# Altium PCB jetson-nano-0928-12.PcbDoc (part 6 of 6)
Units mil, origin at the board's own origin, x right, y up, seen from the top; angles counter-clockwise.
Board outline 3946.89 x 2559.58 mil, 6 copper layers (TOP, L2_GND, L3_PWR, L4_SIG, L5_GND, BOTTOM), stack 47.2 mil thick; 344 components, 315 nets, 1402 pads, 1004 vias.
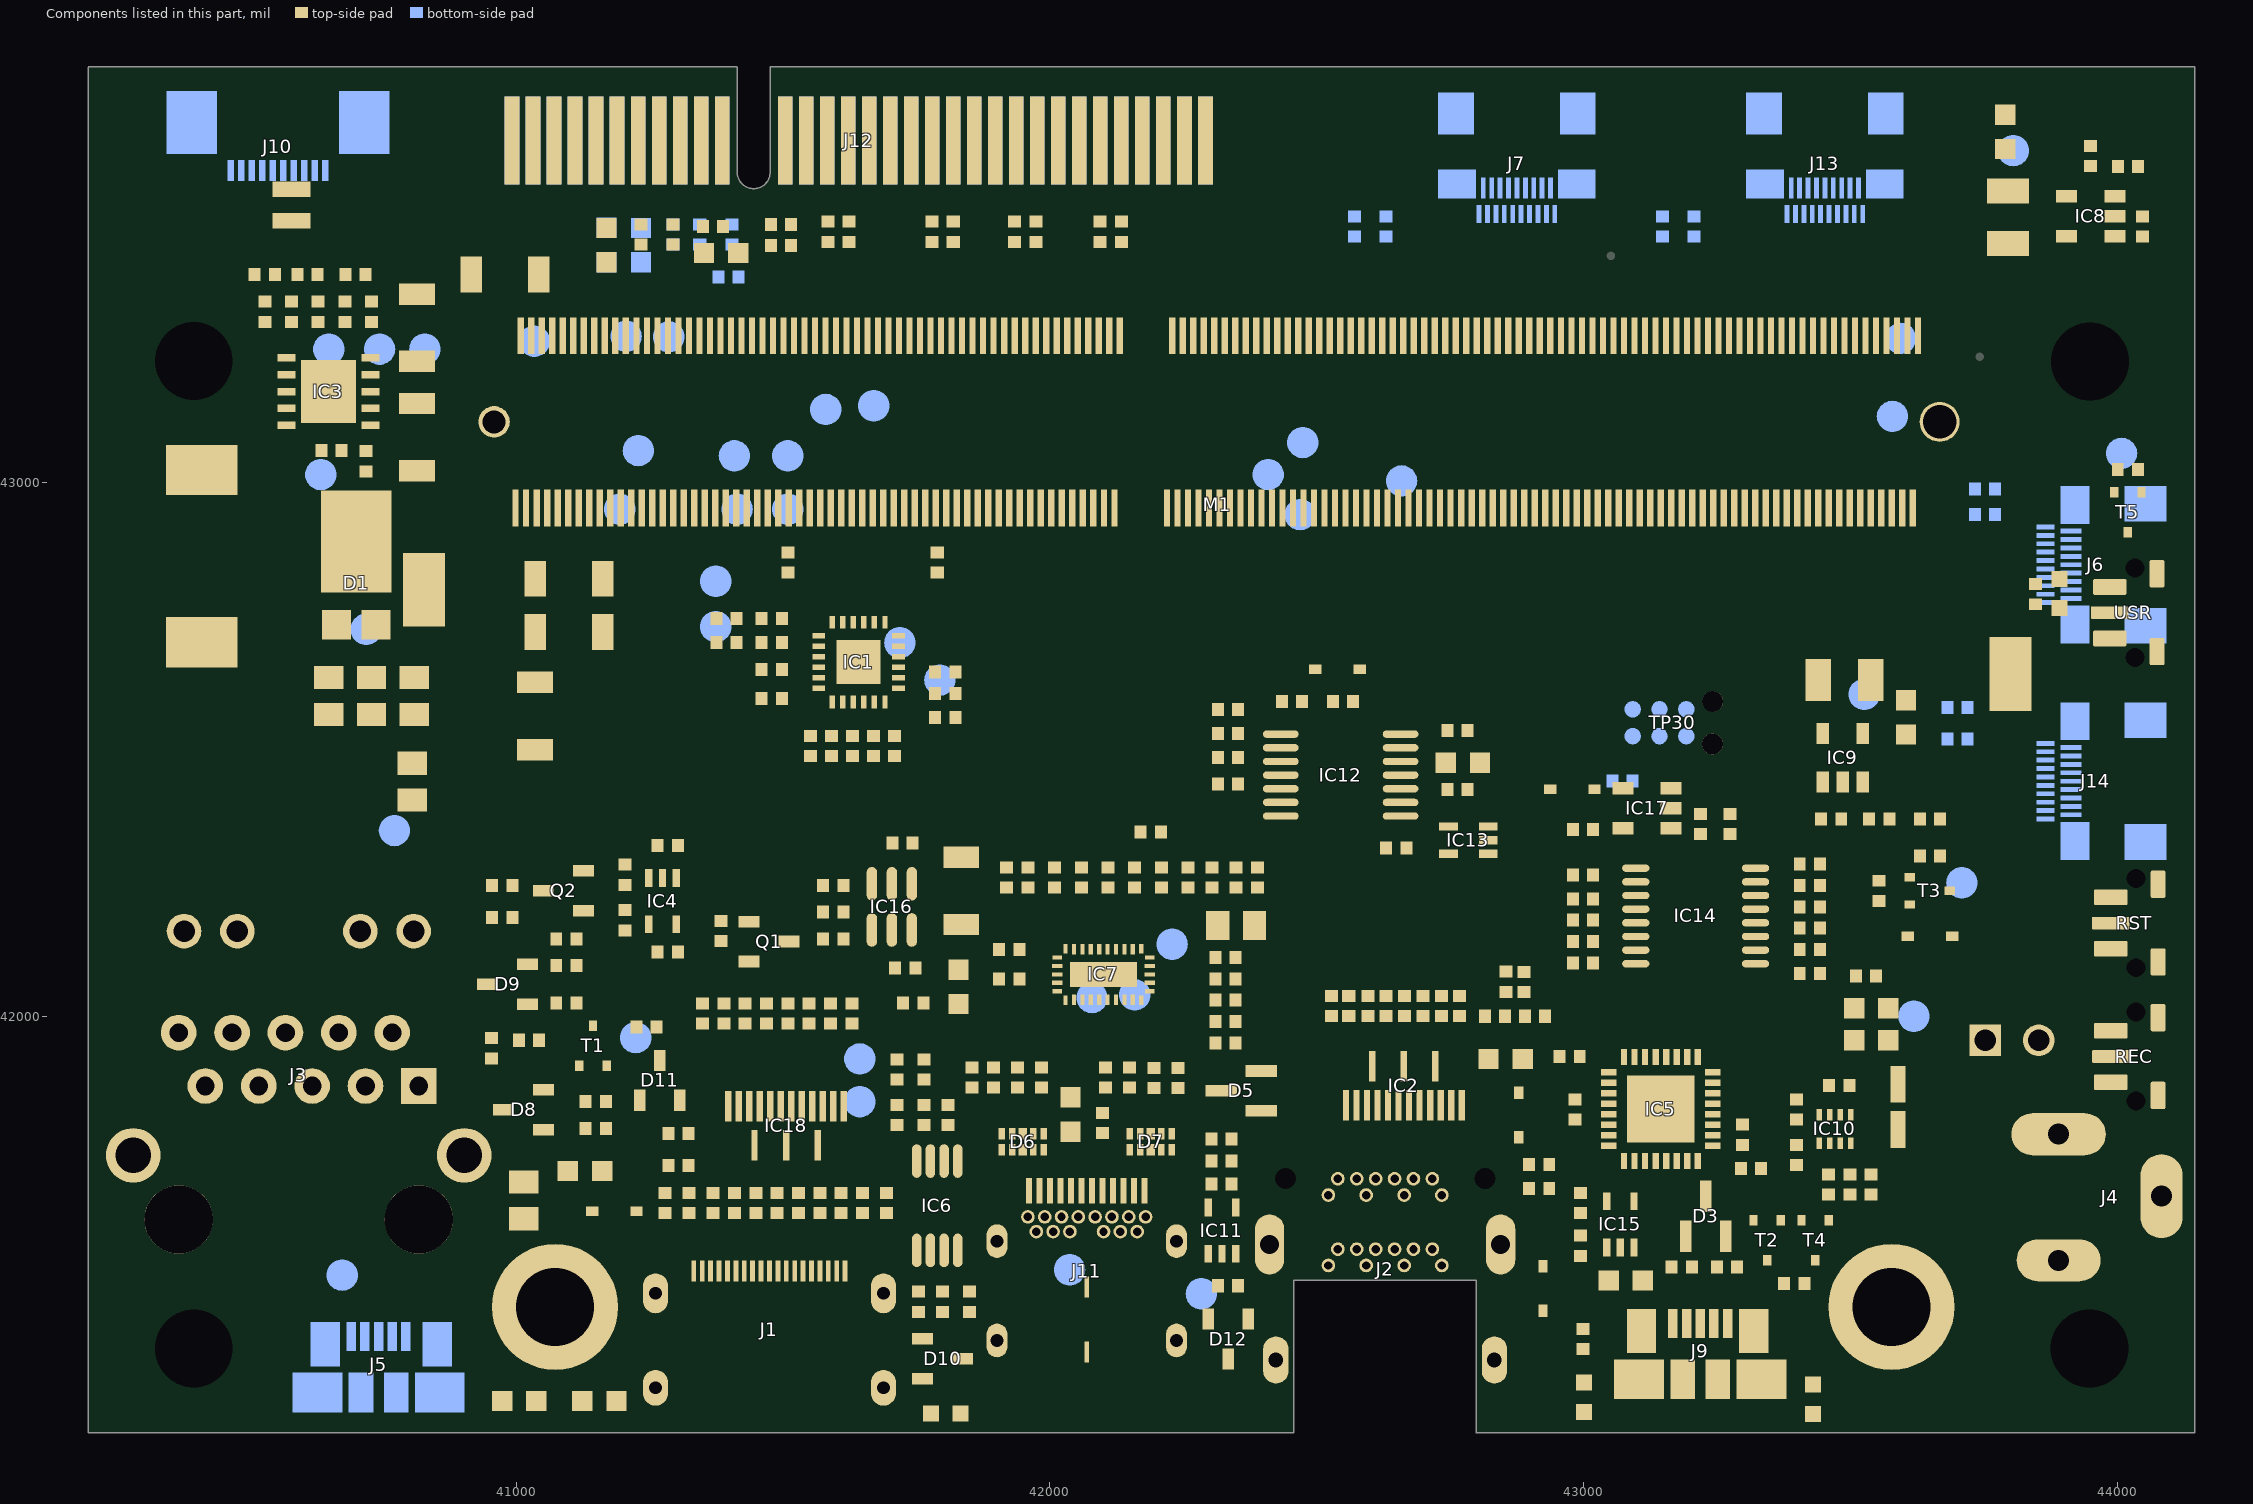
[diagram p10: the components of this part, seen from the top]

## Other copper
TOP:
  pour cut-out: 40434.13,43505.47 40432.97,43511.33 40429.65,43516.3 40424.68,43519.62 40418.82,43520.78 40412.96,43519.62 40407.99,43516.3 40404.67,43511.33 40403.51,43505.47 40404.67,43499.61 40407.99,43494.64 40412.96,43491.32 40418.82,43490.16 40424.68,43491.32 40429.65,43494.64 40432.97,43499.61 40434.13,43505.47
  pour cut-out: 40434.13,43470.47 40432.97,43476.33 40429.65,43481.3 40424.68,43484.62 40418.82,43485.78 40412.96,43484.62 40407.99,43481.3 40404.67,43476.33 40403.51,43470.47 40404.67,43464.61 40407.99,43459.64 40412.96,43456.32 40418.82,43455.16 40424.68,43456.32 40429.65,43459.64 40432.97,43464.61 40434.13,43470.47
  pour cut-out: 40578.36,43444.69 40578.1,43444.93 40577.82,43445.13 40577.53,43445.32 40577.22,43445.48 40576.89,43445.61 40576.56,43445.71 40576.22,43445.78 40575.87,43445.82 40575.52,43445.83 40575.17,43445.81 40574.83,43445.76 40574.49,43445.68 40574.16,43445.57 40573.83,43445.43 40573.53,43445.27 40573.24,43445.08 40572.96,43444.86 40572.78,43444.69 40571.8,43443.82 40570.75,43443.04 40569.63,43442.35 40568.46,43441.76 40567.24,43441.28 40565.99,43440.9 40564.71,43440.64 40563.4,43440.49 40562.09,43440.45 40560.79,43440.53 40559.49,43440.72 40558.21,43441.02 40556.97,43441.43 40555.77,43441.95 40554.61,43442.58 40553.52,43443.3 40552.49,43444.11 40551.54,43445.01 40550.67,43445.99 40549.89,43447.04 40549.2,43448.16 40548.61,43449.33 40548.13,43450.55 40547.75,43451.8 40547.49,43453.08 40547.34,43454.39 40547.3,43455.7 40547.38,43457 40547.57,43458.3 40547.87,43459.58 40548.28,43460.82 40548.8,43462.02 40549.43,43463.18 40550.15,43464.27 40550.96,43465.3 40551.86,43466.25 40552.84,43467.12 40553.89,43467.9 40555.01,43468.59 40556.18,43469.18 40557.4,43469.66 40558.65,43470.04 40559.93,43470.3 40561.24,43470.45 40562.55,43470.49 40563.85,43470.41 40565.15,43470.22 40566.43,43469.92 40567.67,43469.51 40568.87,43468.99 40570.03,43468.36 40571.12,43467.64 40572.15,43466.83 40572.78,43466.25 40573.04,43466.01 40573.32,43465.81 40573.61,43465.62 40573.92,43465.46 40574.25,43465.33 40574.58,43465.23 40574.92,43465.16 40575.27,43465.12 40575.62,43465.11 40575.97,43465.13 40576.31,43465.18 40576.65,43465.26 40576.98,43465.37 40577.31,43465.51 40577.61,43465.67 40577.9,43465.86 40578.18,43466.08 40578.36,43466.25 40579.34,43467.12 40580.39,43467.9 40581.51,43468.59 40582.68,43469.18 40583.9,43469.66 40585.15,43470.04 40586.43,43470.3 40587.74,43470.45 40589.05,43470.49 40590.35,43470.41 40591.65,43470.22 40592.93,43469.92 40594.17,43469.51 40595.37,43468.99 40596.53,43468.36 40597.62,43467.64 40598.65,43466.83 40599.6,43465.93 40600.47,43464.95 40601.25,43463.9 40601.94,43462.78 40602.53,43461.61 40603.01,43460.39 40603.39,43459.14 40603.65,43457.86 40603.8,43456.55 40603.84,43455.24 40603.76,43453.94 40603.57,43452.64 40603.27,43451.36 40602.86,43450.12 40602.34,43448.92 40601.71,43447.76 40600.99,43446.67 40600.18,43445.64 40599.28,43444.69 40598.3,43443.82 40597.25,43443.04 40596.13,43442.35 40594.96,43441.76 40593.74,43441.28 40592.49,43440.9 40591.21,43440.64 40589.9,43440.49 40588.59,43440.45 40587.29,43440.53 40585.99,43440.72 40584.71,43441.02 40583.47,43441.43 40582.27,43441.95 40581.11,43442.58 40580.02,43443.3 40578.99,43444.11 40578.36,43444.69
  pour cut-out: 40499.28,43506.25 40499.54,43506.01 40499.82,43505.81 40500.11,43505.62 40500.42,43505.46 40500.75,43505.33 40501.08,43505.23 40501.42,43505.16 40501.77,43505.12 40502.12,43505.11 40502.47,43505.13 40502.81,43505.18 40503.15,43505.26 40503.48,43505.37 40503.81,43505.51 40504.11,43505.67 40504.4,43505.86 40504.68,43506.08 40504.86,43506.25 40505.84,43507.12 40506.89,43507.9 40508.01,43508.59 40509.18,43509.18 40510.4,43509.66 40511.65,43510.04 40512.93,43510.3 40514.24,43510.45 40515.55,43510.49 40516.85,43510.41 40518.15,43510.22 40519.43,43509.92 40520.67,43509.51 40521.87,43508.99 40523.03,43508.36 40524.12,43507.64 40525.15,43506.83 40526.1,43505.93 40526.97,43504.95 40527.75,43503.9 40528.44,43502.78 40529.03,43501.61 40529.51,43500.39 40529.89,43499.14 40530.15,43497.86 40530.3,43496.55 40530.34,43495.24 40530.26,43493.94 40530.07,43492.64 40529.77,43491.36 40529.36,43490.12 40528.84,43488.92 40528.21,43487.76 40527.49,43486.67 40526.68,43485.64 40525.78,43484.69 40524.8,43483.82 40523.75,43483.04 40522.63,43482.35 40521.46,43481.76 40520.24,43481.28 40518.99,43480.9 40517.71,43480.64 40516.4,43480.49 40515.09,43480.45 40513.79,43480.53 40512.49,43480.72 40511.21,43481.02 40509.97,43481.43 40508.77,43481.95 40507.61,43482.58 40506.52,43483.3 40505.49,43484.11 40504.86,43484.69 40504.6,43484.93 40504.32,43485.13 40504.03,43485.32 40503.72,43485.48 40503.39,43485.61 40503.06,43485.71 40502.72,43485.78 40502.37,43485.82 40502.02,43485.83 40501.67,43485.81 40501.33,43485.76 40500.99,43485.68 40500.66,43485.57 40500.33,43485.43 40500.03,43485.27 40499.74,43485.08 40499.46,43484.86 40499.28,43484.69 40498.3,43483.82 40497.25,43483.04 40496.13,43482.35 40494.96,43481.76 40493.74,43481.28 40492.49,43480.9 40491.21,43480.64 40489.9,43480.49 40488.59,43480.45 40487.29,43480.53 40485.99,43480.72 40484.71,43481.02 40483.47,43481.43 40482.27,43481.95 40481.11,43482.58 40480.02,43483.3 40478.99,43484.11 40478.04,43485.01 40477.17,43485.99 40476.39,43487.04 40475.7,43488.16 40475.11,43489.33 40474.63,43490.55 40474.25,43491.8 40473.99,43493.08 40473.84,43494.39 40473.8,43495.7 40473.88,43497 40474.07,43498.3 40474.37,43499.58 40474.78,43500.82 40475.3,43502.02 40475.93,43503.18 40476.65,43504.27 40477.46,43505.3 40478.36,43506.25 40479.34,43507.12 40480.39,43507.9 40481.51,43508.59 40482.68,43509.18 40483.9,43509.66 40485.15,43510.04 40486.43,43510.3 40487.74,43510.45 40489.05,43510.49 40490.35,43510.41 40491.65,43510.22 40492.93,43509.92 40494.17,43509.51 40495.37,43508.99 40496.53,43508.36 40497.62,43507.64 40498.65,43506.83 40499.28,43506.25
  pour cut-out: 40678.36,43494.69 40678.1,43494.93 40677.82,43495.13 40677.53,43495.32 40677.22,43495.48 40676.89,43495.61 40676.56,43495.71 40676.22,43495.78 40675.87,43495.82 40675.52,43495.83 40675.17,43495.81 40674.83,43495.76 40674.49,43495.68 40674.16,43495.57 40673.83,43495.43 40673.53,43495.27 40673.24,43495.08 40672.96,43494.86 40672.78,43494.69 40671.8,43493.82 40670.75,43493.04 40669.63,43492.35 40668.46,43491.76 40667.24,43491.28 40665.99,43490.9 40664.71,43490.64 40663.4,43490.49 40662.09,43490.45 40660.79,43490.53 40659.49,43490.72 40658.21,43491.02 40656.97,43491.43 40655.77,43491.95 40654.61,43492.58 40653.52,43493.3 40652.49,43494.11 40651.54,43495.01 40650.67,43495.99 40649.89,43497.04 40649.2,43498.16 40648.61,43499.33 40648.13,43500.55 40647.75,43501.8 40647.49,43503.08 40647.34,43504.39 40647.3,43505.7 40647.38,43507 40647.57,43508.3 40647.87,43509.58 40648.28,43510.82 40648.8,43512.02 40649.43,43513.18 40650.15,43514.27 40650.96,43515.3 40651.86,43516.25 40652.84,43517.12 40653.89,43517.9 40655.01,43518.59 40656.18,43519.18 40657.4,43519.66 40658.65,43520.04 40659.93,43520.3 40661.24,43520.45 40662.55,43520.49 40663.85,43520.41 40665.15,43520.22 40666.43,43519.92 40667.67,43519.51 40668.87,43518.99 40670.03,43518.36 40671.12,43517.64 40672.15,43516.83 40672.78,43516.25 40673.04,43516.01 40673.32,43515.81 40673.61,43515.62 40673.92,43515.46 40674.25,43515.33 40674.58,43515.23 40674.92,43515.16 40675.27,43515.12 40675.62,43515.11 40675.97,43515.13 40676.31,43515.18 40676.65,43515.26 40676.98,43515.37 40677.31,43515.51 40677.61,43515.67 40677.9,43515.86 40678.18,43516.08 40678.36,43516.25 40679.34,43517.12 40680.39,43517.9 40681.51,43518.59 40682.68,43519.18 40683.9,43519.66 40685.15,43520.04 40686.43,43520.3 40687.74,43520.45 40689.05,43520.49 40690.35,43520.41 40691.65,43520.22 40692.93,43519.92 40694.17,43519.51 40695.37,43518.99 40696.53,43518.36 40697.62,43517.64 40698.65,43516.83 40699.6,43515.93 40700.47,43514.95 40701.25,43513.9 40701.94,43512.78 40702.53,43511.61 40703.01,43510.39 40703.39,43509.14 40703.65,43507.86 40703.8,43506.55 40703.84,43505.24 40703.76,43503.94 40703.57,43502.64 40703.27,43501.36 40702.86,43500.12 40702.34,43498.92 40701.71,43497.76 40700.99,43496.67 40700.18,43495.64 40699.28,43494.69 40698.3,43493.82 40697.25,43493.04 40696.13,43492.35 40694.96,43491.76 40693.74,43491.28 40692.49,43490.9 40691.21,43490.64 40689.9,43490.49 40688.59,43490.45 40687.29,43490.53 40685.99,43490.72 40684.71,43491.02 40683.47,43491.43 40682.27,43491.95 40681.11,43492.58 40680.02,43493.3 40678.99,43494.11 40678.36,43494.69
  pour cut-out: 40648.17,43562.51 40674.08,43588.43 40674.22,43588.98 40674.58,43590.24 40675.05,43591.46 40675.62,43592.64 40676.3,43593.76 40677.07,43594.82 40677.93,43595.81 40678.87,43596.72 40679.89,43597.55 40680.98,43598.28 40682.12,43598.91 40683.32,43599.45 40684.56,43599.87 40685.83,43600.19 40687.12,43600.39 40688.43,43600.49 40689.74,43600.46 40691.04,43600.32 40692.33,43600.07 40693.59,43599.71 40694.81,43599.24 40695.99,43598.67 40697.11,43597.99 40698.17,43597.22 40699.16,43596.36 40700.07,43595.42 40700.9,43594.4 40701.63,43593.31 40702.26,43592.17 40702.8,43590.97 40703.22,43589.73 40703.54,43588.46 40703.74,43587.17 40703.83,43585.86 40703.81,43584.55 40703.67,43583.25 40703.42,43581.96 40703.06,43580.7 40702.59,43579.48 40702.02,43578.3 40701.34,43577.18 40700.57,43576.12 40699.71,43575.13 40698.77,43574.22 40697.75,43573.39 40696.66,43572.66 40695.52,43572.03 40694.32,43571.49 40693.08,43571.07 40692.33,43570.87 40691.78,43570.73 40658.53,43537.49 40619.27,43537.49 40619.27,43530.22 40538.37,43530.22 40538.37,43569.78 40619.27,43569.78 40619.27,43562.51 40648.17,43562.51
  pour cut-out: 42059.98,41518.06 42077.88,41518.06 42077.88,41468.66 42059.98,41468.66 42059.98,41518.06
  pour cut-out: 42059.98,41396.01 42077.88,41396.01 42077.88,41346.61 42059.98,41346.61 42059.98,41396.01
  pour cut-out: 40619.13,42330.47 40617.97,42336.33 40614.65,42341.3 40609.68,42344.62 40603.82,42345.78 40597.96,42344.62 40592.99,42341.3 40589.67,42336.33 40588.51,42330.47 40589.67,42324.61 40592.99,42319.64 40597.96,42316.32 40603.82,42315.16 40609.68,42316.32 40614.65,42319.64 40617.97,42324.61 40619.13,42330.47
  pour cut-out: 42473.13,42350.47 42471.97,42356.33 42468.65,42361.3 42463.68,42364.62 42457.82,42365.78 42451.96,42364.62 42446.99,42361.3 42443.67,42356.33 42442.51,42350.47 42443.67,42344.61 42446.99,42339.64 42451.96,42336.32 42457.82,42335.16 42463.68,42336.32 42468.65,42339.64 42471.97,42344.61 42473.13,42350.47
  pour cut-out: 44063.99,42840.28 44063.04,42847.52 44060.24,42854.26 44055.8,42860.06 44050,42864.5 44043.26,42867.3 44036.02,42868.25 44028.78,42867.3 44022.04,42864.5 44016.24,42860.06 44011.8,42854.26 44009,42847.52 44008.05,42840.28 44009,42833.04 44011.8,42826.3 44016.24,42820.5 44022.04,42816.06 44028.78,42813.26 44036.02,42812.31 44043.26,42813.26 44050,42816.06 44055.8,42820.5 44060.24,42826.3 44063.04,42833.04 44063.99,42840.28
  pour cut-out: 44058.17,42997.14 44058.17,42967.42 44032.39,42967.42 44032.39,42981.01 44028.57,42984.82 44028.57,43007.66 44022.35,43007.66 44022.35,43042.1 44041.65,43042.1 44054.65,43055.11 44054.7,43055.86 44054.84,43057.17 44055.1,43058.45 44055.46,43059.71 44055.94,43060.93 44056.52,43062.11 44057.2,43063.23 44057.97,43064.28 44058.83,43065.27 44059.78,43066.17 44060.8,43066.99 44061.89,43067.72 44063.04,43068.35 44064.24,43068.88 44065.48,43069.3 44066.75,43069.61 44068.05,43069.81 44069.36,43069.9 44070.67,43069.87 44071.97,43069.73 44073.25,43069.47 44074.51,43069.11 44075.73,43068.63 44076.91,43068.05 44078.03,43067.37 44079.08,43066.6 44080.07,43065.74 44080.98,43064.79 44081.8,43063.77 44082.53,43062.68 44083.16,43061.53 44083.68,43060.33 44084.1,43059.09 44084.42,43057.82 44084.62,43056.52 44084.7,43055.21 44084.67,43053.9 44084.53,43052.6 44084.28,43051.32 44083.91,43050.06 44083.43,43048.84 44082.86,43047.66 44082.18,43046.54 44081.4,43045.48 44080.54,43044.5 44079.59,43043.59 44078.57,43042.77 44077.48,43042.04 44076.33,43041.41 44075.13,43040.89 44073.89,43040.46 44072.62,43040.15 44071.32,43039.95 44070.02,43039.87 44068.73,43039.89 44067.82,43039.95 44054.83,43026.95 44054.83,43007.66 44048.61,43007.66 44048.61,42997.14 44058.17,42997.14
  pour cut-out: 41112.3,43309.99 41121.34,43309.99 41121.34,43240.95 41112.3,43240.95 41112.3,43309.99
  pour cut-out: 41151.3,43309.99 41160.34,43309.99 41160.34,43240.95 41151.3,43240.95 41151.3,43309.99
  pour cut-out: 41161.3,42986.99 41170.34,42986.99 41170.34,42917.95 41161.3,42917.95 41161.3,42986.99
  pour cut-out: 41122.3,42986.99 41131.34,42986.99 41131.34,42917.95 41122.3,42917.95 41122.3,42986.99
  pour cut-out: 41102.3,42986.99 41111.34,42986.99 41111.34,42917.95 41102.3,42917.95 41102.3,42986.99
  pour cut-out: 41141.3,42986.99 41150.34,42986.99 41150.34,42917.95 41141.3,42917.95 41141.3,42986.99
  pour cut-out: 41170.3,43309.99 41179.34,43309.99 41179.34,43240.95 41170.3,43240.95 41170.3,43309.99
  pour cut-out: 41131.3,43309.99 41140.34,43309.99 41140.34,43240.95 41131.3,43240.95 41131.3,43309.99
  pour cut-out: 41033.3,43309.99 41042.34,43309.99 41042.34,43240.95 41033.3,43240.95 41033.3,43309.99
  pour cut-out: 41053.3,43309.99 41062.34,43309.99 41062.34,43240.95 41053.3,43240.95 41053.3,43309.99
  pour cut-out: 41072.8,43310.49 41081.84,43310.49 41081.84,43241.45 41072.8,43241.45 41072.8,43310.49
  pour cut-out: 41043.3,42986.99 41052.34,42986.99 41052.34,42917.95 41043.3,42917.95 41043.3,42986.99
  pour cut-out: 41062.3,42986.99 41071.34,42986.99 41071.34,42917.95 41062.3,42917.95 41062.3,42986.99
  pour cut-out: 41014.3,43309.99 41023.34,43309.99 41023.34,43240.95 41014.3,43240.95 41014.3,43309.99
  pour cut-out: 41004.3,42986.99 41013.34,42986.99 41013.34,42917.95 41004.3,42917.95 41004.3,42986.99
  pour cut-out: 41023.3,42986.99 41032.34,42986.99 41032.34,42917.95 41023.3,42917.95 41023.3,42986.99
  pour cut-out: 40694.13,41445.47 40692.97,41451.33 40689.65,41456.3 40684.68,41459.62 40678.82,41460.78 40672.96,41459.62 40667.99,41456.3 40664.67,41451.33 40663.51,41445.47 40664.67,41439.61 40667.99,41434.64 40672.96,41431.32 40678.82,41430.16 40684.68,41431.32 40689.65,41434.64 40692.97,41439.61 40694.13,41445.47
  pour cut-out: 40441.84,41619.69 40440.41,41634.19 40436.18,41648.14 40429.31,41661 40420.06,41672.26 40408.8,41681.51 40395.94,41688.38 40381.99,41692.61 40367.49,41694.04 40352.99,41692.61 40339.04,41688.38 40326.18,41681.51 40314.92,41672.26 40305.67,41661 40298.8,41648.14 40294.57,41634.19 40293.14,41619.69 40294.57,41605.19 40298.8,41591.24 40305.67,41578.38 40314.92,41567.12 40326.18,41557.87 40339.04,41551 40352.99,41546.77 40367.49,41545.34 40381.99,41546.77 40395.94,41551 40408.8,41557.87 40420.06,41567.12 40429.31,41578.38 40436.18,41591.24 40440.41,41605.19 40441.84,41619.69
  pour cut-out: 44062.97,41841.34 44062.02,41848.58 44059.22,41855.32 44054.78,41861.12 44048.98,41865.56 44042.24,41868.35 44035,41869.31 44027.76,41868.35 44021.02,41865.56 44015.22,41861.12 44010.78,41855.32 44007.98,41848.58 44007.03,41841.34 44007.98,41834.1 44010.78,41827.35 44015.22,41821.56 44021.02,41817.12 44027.76,41814.32 44035,41813.37 44042.24,41814.32 44048.98,41817.12 44054.78,41821.56 44059.22,41827.35 44062.02,41834.1 44062.97,41841.34
  pour cut-out: 44062.97,42008.66 44062.02,42015.9 44059.22,42022.65 44054.78,42028.44 44048.98,42032.88 44042.24,42035.68 44035,42036.63 44027.76,42035.68 44021.02,42032.88 44015.22,42028.44 44010.78,42022.65 44007.98,42015.9 44007.03,42008.66 44007.98,42001.42 44010.78,41994.68 44015.22,41988.88 44021.02,41984.44 44027.76,41981.65 44035,41980.69 44042.24,41981.65 44048.98,41984.44 44054.78,41988.88 44059.22,41994.68 44062.02,42001.42 44062.97,42008.66
  pour cut-out: 44062.97,42091.34 44062.02,42098.58 44059.22,42105.32 44054.78,42111.12 44048.98,42115.56 44042.24,42118.35 44035,42119.31 44027.76,42118.35 44021.02,42115.56 44015.22,42111.12 44010.78,42105.32 44007.98,42098.58 44007.03,42091.34 44007.98,42084.1 44010.78,42077.35 44015.22,42071.56 44021.02,42067.12 44027.76,42064.32 44035,42063.37 44042.24,42064.32 44048.98,42067.12 44054.78,42071.56 44059.22,42077.35 44062.02,42084.1 44062.97,42091.34
  pour cut-out: 44062.97,42258.66 44062.02,42265.9 44059.22,42272.65 44054.78,42278.44 44048.98,42282.88 44042.24,42285.68 44035,42286.63 44027.76,42285.68 44021.02,42282.88 44015.22,42278.44 44010.78,42272.65 44007.98,42265.9 44007.03,42258.66 44007.98,42251.42 44010.78,42244.68 44015.22,42238.88 44021.02,42234.44 44027.76,42231.65 44035,42230.69 44042.24,42231.65 44048.98,42234.44 44054.78,42238.88 44059.22,42244.68 44062.02,42251.42 44062.97,42258.66
  pour cut-out: 43840.79,41734.98 43836.92,41735.15 43833.08,41735.65 43829.3,41736.49 43825.61,41737.65 43822.03,41739.13 43818.59,41740.92 43815.33,41743 43812.25,41745.36 43809.4,41747.97 43806.78,41750.83 43804.42,41753.9 43802.34,41757.17 43800.55,41760.6 43799.07,41764.18 43797.91,41767.87 43797.07,41771.65 43796.56,41775.49 43796.39,41779.36 43796.56,41783.23 43797.06,41787.07 43797.9,41790.85 43799.06,41794.54 43800.54,41798.12 43802.33,41801.56 43804.41,41804.82 43806.77,41807.9 43809.38,41810.75 43812.24,41813.37 43815.31,41815.73 43818.58,41817.81 43822.01,41819.6 43825.59,41821.08 43829.28,41822.25 43833.06,41823.08 43836.9,41823.59 43840.77,41823.76 43840.79,41823.76 43939.21,41823.76 43943.08,41823.59 43946.92,41823.09 43950.7,41822.25 43954.39,41821.09 43957.97,41819.61 43961.41,41817.82 43964.67,41815.74 43967.75,41813.38 43970.6,41810.77 43973.22,41807.91 43975.58,41804.84 43977.66,41801.57 43979.45,41798.14 43980.93,41794.56 43982.09,41790.87 43982.93,41787.09 43983.44,41783.25 43983.61,41779.38 43983.44,41775.51 43982.94,41771.67 43982.1,41767.89 43980.94,41764.2 43979.46,41760.62 43977.67,41757.18 43975.59,41753.92 43973.23,41750.84 43970.62,41747.99 43967.76,41745.37 43964.69,41743.01 43961.42,41740.93 43957.99,41739.14 43954.41,41737.66 43950.72,41736.5 43946.94,41735.66 43943.1,41735.15 43939.23,41734.98 43939.21,41734.98 43840.79,41734.98
  pour cut-out: 44029.75,41943.36 44029.75,41909.72 43948.81,41909.72 43948.74,41910.06 43948.65,41910.4 43948.53,41910.73 43948.38,41911.04 43948.2,41911.34 43948,41911.63 43947.77,41911.89 43947.52,41912.13 43947.25,41912.36 43946.96,41912.55 43946.66,41912.73 43946.34,41912.87 43946.01,41912.99 43945.67,41913.07 43945.33,41913.13 43944.98,41913.16 43944.63,41913.15 43944.29,41913.12 43943.94,41913.06 43943.61,41912.96 43943.28,41912.84 43942.96,41912.69 43942.66,41912.51 43942.64,41912.49 43941.51,41911.81 43940.34,41911.24 43939.12,41910.76 43937.86,41910.4 43936.57,41910.15 43935.27,41910.01 43933.96,41909.98 43932.65,41910.07 43931.36,41910.28 43930.08,41910.59 43928.84,41911.02 43927.65,41911.55 43926.5,41912.18 43925.41,41912.91 43924.39,41913.73 43923.45,41914.64 43922.59,41915.63 43921.81,41916.69 43921.14,41917.81 43920.56,41918.99 43920.09,41920.21 43919.73,41921.47 43919.47,41922.76 43919.34,41924.06 43919.31,41925.37 43919.4,41926.68 43919.6,41927.97 43919.92,41929.24 43920.34,41930.48 43920.87,41931.68 43921.51,41932.83 43922.24,41933.91 43923.06,41934.93 43923.97,41935.88 43924.96,41936.74 43926.02,41937.51 43927.14,41938.19 43928.31,41938.76 43929.54,41939.24 43930.8,41939.6 43932.08,41939.85 43933.38,41939.99 43934.69,41940.02 43936,41939.93 43937.3,41939.72 43938.57,41939.41 43939.81,41938.98 43941.01,41938.45 43942.15,41937.82 43942.64,41937.51 43942.63,41937.51 43942.93,41937.33 43943.25,41937.17 43943.57,41937.05 43943.91,41936.95 43944.25,41936.88 43944.6,41936.85 43944.95,41936.84 43945.29,41936.87 43945.64,41936.92 43945.98,41937 43946.31,41937.12 43946.63,41937.26 43946.93,41937.43 43947.22,41937.62 43947.49,41937.84 43947.74,41938.08 43947.97,41938.35 43948.18,41938.63 43948.36,41938.93 43948.51,41939.24 43948.64,41939.57 43948.73,41939.9 43948.8,41940.24 43948.84,41940.59 43948.85,41940.85 43948.85,41943.36 44029.75,41943.36
L4_SIG:
  drawing of 100 lines, arcs and shapes, not listed
BOTTOM:
  drawing of 103 lines, arcs and shapes, not listed
L2_GND (plane layer: these items are gaps in the copper):
  rectangle: 42521.69,41526 42734.33,41565.36
  rectangle: 43312,42315 43350,42355
  rectangle: 42539.41,41667 42686,41695.91
L3_PWR (plane layer: these items are gaps in the copper):
  rectangle: 43301.18,42641.73 43352.36,42679.13
  rectangle: 42521.69,41528 42734.18,41561.49
  rectangle: 41813.82,42335.47 41853.82,42375.47
  rectangle: 42114.82,42619 42161,42654.47
  rectangle: 43103.82,41785.47 43183.82,41865.47
  rectangle: 43312,42315 43350,42355
  rectangle: 42539.41,41668 42685,41695.91
  pour cut-out: 43243.36,43339.69 43243.1,43339.93 43242.82,43340.13 43242.53,43340.32 43242.22,43340.48 43241.89,43340.61 43241.56,43340.71 43241.22,43340.78 43240.87,43340.82 43240.52,43340.83 43240.17,43340.81 43239.83,43340.76 43239.49,43340.68 43239.16,43340.57 43238.83,43340.43 43238.53,43340.27 43238.24,43340.08 43237.96,43339.86 43237.78,43339.69 43236.8,43338.82 43235.75,43338.04 43234.63,43337.35 43233.46,43336.76 43232.24,43336.28 43230.99,43335.9 43229.71,43335.64 43228.4,43335.49 43227.09,43335.45 43225.79,43335.53 43224.49,43335.72 43223.21,43336.02 43221.97,43336.43 43220.77,43336.95 43219.61,43337.58 43218.52,43338.3 43217.49,43339.11 43216.54,43340.01 43215.67,43340.99 43214.89,43342.04 43214.2,43343.16 43213.61,43344.33 43213.13,43345.55 43212.75,43346.8 43212.49,43348.08 43212.34,43349.39 43212.3,43350.7 43212.38,43352 43212.57,43353.3 43212.87,43354.58 43213.28,43355.82 43213.8,43357.02 43214.43,43358.18 43215.15,43359.27 43215.96,43360.3 43216.86,43361.25 43217.84,43362.12 43218.89,43362.9 43220.01,43363.59 43221.18,43364.18 43222.4,43364.66 43223.65,43365.04 43224.93,43365.3 43226.24,43365.45 43227.55,43365.49 43228.85,43365.41 43230.15,43365.22 43231.43,43364.92 43232.67,43364.51 43233.87,43363.99 43235.03,43363.36 43236.12,43362.64 43237.15,43361.83 43237.78,43361.25 43238.04,43361.01 43238.32,43360.81 43238.61,43360.62 43238.92,43360.46 43239.25,43360.33 43239.58,43360.23 43239.92,43360.16 43240.27,43360.12 43240.62,43360.11 43240.97,43360.13 43241.31,43360.18 43241.65,43360.26 43241.98,43360.37 43242.31,43360.51 43242.61,43360.67 43242.9,43360.86 43243.18,43361.08 43243.36,43361.25 43244.34,43362.12 43245.39,43362.9 43246.51,43363.59 43247.68,43364.18 43248.9,43364.66 43250.15,43365.04 43251.43,43365.3 43252.74,43365.45 43254.05,43365.49 43255.35,43365.41 43256.65,43365.22 43257.93,43364.92 43259.17,43364.51 43260.37,43363.99 43261.53,43363.36 43262.62,43362.64 43263.65,43361.83 43264.6,43360.93 43265.47,43359.95 43266.25,43358.9 43266.94,43357.78 43267.53,43356.61 43268.01,43355.39 43268.39,43354.14 43268.65,43352.86 43268.8,43351.55 43268.84,43350.24 43268.76,43348.94 43268.57,43347.64 43268.27,43346.36 43267.86,43345.12 43267.34,43343.92 43266.71,43342.76 43265.99,43341.67 43265.18,43340.64 43264.28,43339.69 43263.3,43338.82 43262.25,43338.04 43261.13,43337.35 43259.96,43336.76 43258.74,43336.28 43257.49,43335.9 43256.21,43335.64 43254.9,43335.49 43253.59,43335.45 43252.29,43335.53 43250.99,43335.72 43249.71,43336.02 43248.47,43336.43 43247.27,43336.95 43246.11,43337.58 43245.02,43338.3 43243.99,43339.11 43243.36,43339.69
  lines w40: 41218,42619 40795,42619 40670,42494 40670,42322 40763,42229 40889,42229 40947,42171 40947,41700 41039,41608 41124,41608 41182,41666 41182,41764 41344,41926 42723,41926 42897,41752 42897,41400 42940,41357 43305,41357 43557,41609 43557,41676 ; 43589.85,43053.15 43767.72,43053.15 ; 43724,42078.74 43883.86,42078.74 43966.54,42161.42 44145.18,42161.42 ; 43724,42271.65 43852.36,42271.65 43909.45,42328.74 43909.45,42700.79 43903.54,42706.69 43801.18,42706.69 43801.18,42801.18 43799.21,42803.15 43909.45,42803.15 43909.45,43009.84 43866.14,43053.15 43767.72,43053.15 ; 44145.18,43480.32 43905.51,43480.32 ; 41083,43535 40838,43535 40773,43470 40773,43064 41216,42621 41248,42621 43221.52,42621 43551,42291.52 43551,41682 43557,41676 ; 41083,43535 41134.61,43586.61 41291.34,43586.61 41351,43526.95 41351,43328 41577,43102 43541,43102 43583,43060 43583,42897.96 43539.37,42854.33 43539.37,42854 ; 41083,43535 41083,43302 41531,42854 43539.37,42854 ; 43539.37,42854 43539.37,42578.74 43602.36,42515.75 43724,42515.75 43724,42257.79 43724,41873 43749,41848 43951,41848 44007,41792 44007,41723 43960,41676 43557,41676 ; 43767.72,43053.15 43767.72,43342.52 43905.51,43480.31 ; 43905.51,43480.31 43905.51,43480.32 ; 42435.04,43503.94 42484.25,43454.72 43769.68,43454.72 43812.99,43498.03 43812.99,43620.08 43771.65,43661.42 42480.32,43661.42 42435.04,43616.14 42435.04,43503.94
L5_GND (plane layer: these items are gaps in the copper):
  rectangle: 42521.69,41529 42732.25,41555.62
  rectangle: 42539.41,41667.22 42716.57,41695.91

## Silkscreen, mask and mechanical layers (free items; w line width, h text height)
Top Overlay:
  circle w5: c41568.82,42570.47 r11.18
  circle w5: c42848.82,42275.47 r11.18
  circle w5: c43403.82,42440.47 r11.18
  circle w5: c44083.82,42590.47 r11.18
  circle w5: c43433.82,41735.47 r11.18
  circle w5: c43018.82,41915.47 r11.18
  circle w5: c40758.82,43105.47 r11.18
  circle w5: c42173.82,42155.47 r11.18
  lines w5: 41533.82,42050.47 41633.82,42050.47 41658.82,42025.47 41658.82,41985.47 41643.82,41970.47 41323.82,41970.47 41318.82,41975.47 41318.82,42040.47 41328.82,42050.47 41538.82,42050.47 41543.82,42055.47 41543.82,42205.47 41478.82,42270.47 41478.82,42375.47 ; 41673.82,41860.47 41813.82,41860.47 41833.82,41840.47 41833.82,41785.47 41823.82,41775.47 41688.82,41775.47 41673.82,41790.47 41673.82,41875.47 ; 43278.82,42585.47 43278.82,42810.47 43298.82,42830.47 43348.82,42830.47 43388.82,42830.47 43403.82,42815.47 43403.82,42580.47 43393.82,42570.47 43293.82,42570.47 ; 43333.82,42570.47 43333.82,42365.47 43378.82,42320.47 43458.82,42320.47 43478.82,42300.47 43478.82,42060.47 43463.82,42045.47 43398.82,42045.47 43378.82,42065.47 43378.82,42325.47 ; 41478.82,42375.47 41488.82,42385.47 41488.82,42450.47 41463.82,42475.47 41238.82,42475.47 41163.82,42475.47 41153.82,42465.47 41153.82,42385.47 41163.82,42375.47 41478.82,42375.47 ; 41673.82,41875.47 41683.82,41885.47 41683.82,41955.47 41673.82,41965.47 41638.82,41965.47 41568.82,41965.47 41558.82,41955.47 41558.82,41885.47 41568.82,41875.47 41673.82,41875.47 ; 41708.82,41690.47 41718.82,41680.47 41718.82,41530.47 41733.82,41515.47 ; 41708.82,41690.47 41608.82,41690.47 41598.82,41700.47 41598.82,41755.47 41613.82,41770.47 41708.82,41770.47 41718.82,41760.47 41718.82,41700.47 41708.82,41690.47 ; 41733.82,41515.47 41728.82,41510.47 41728.82,41435.47 41738.82,41425.47 41868.82,41425.47 41883.82,41440.47 41883.82,41510.47 41878.82,41515.47 41733.82,41515.47
Bottom Overlay:
  drawing of 3327 lines, arcs and shapes, not listed
  text ".AM_Title" at 42459,42389.45 h46.98
  text "Rev. 1.4.2    04/2020" at 42456.64,42326.94 h46.98
Mechanical 1:
  lines w1: 40438.82,43560.47 40438.82,43625.47 40453.82,43640.47 40673.82,43640.47 40698.82,43615.47 40698.82,43550.47 40678.82,43530.47 40468.82,43530.47 40438.82,43560.47 ; 40698.82,41370.47 40698.82,41420.47 40733.82,41455.47 40793.82,41455.47 40808.82,41440.47 40808.82,41365.47 40793.82,41350.47 40718.82,41350.47 40698.82,41370.47 ; 40948.82,41770.47 40948.82,41825.47 40958.82,41835.47 41026.82,41835.47 41058.82,41803.47 41058.82,41755.47 41033.82,41730.47 40988.82,41730.47 40948.82,41770.47 ; 41313.82,42900.47 41313.82,42975.47 41353.82,43015.47 43638.82,43015.47 43673.82,42980.47 43673.82,42895.47 43643.82,42865.47 41348.82,42865.47 41313.82,42900.47 ; 41318.82,43230.47 41318.82,43305.47 41358.82,43345.47 43643.82,43345.47 43678.82,43310.47 43678.82,43225.47 43648.82,43195.47 41353.82,43195.47 41318.82,43230.47 ; 41377.34,41801.51 41377.34,41860.51 41377.34,41934.51 41395.34,41952.51 41603.34,41952.51 41632.34,41923.51 41632.34,41865.51 41640.34,41857.51 41640.34,41799.51 41624.34,41783.51 41395.34,41783.51 41377.34,41801.51 ; 41383.82,41485.47 41383.82,41565.47 41398.82,41580.47 41648.82,41580.47 41663.82,41565.47 41663.82,41490.47 41638.82,41465.47 41403.82,41465.47 41383.82,41485.47 ; 41408.82,41709.47 41408.82,41751.47 41424.82,41767.47 41575.82,41767.47 41588.82,41754.47 41588.82,41710.47 41577.82,41699.47 41418.82,41699.47 41408.82,41709.47 ; 41893.82,41685.47 41893.82,41732.47 41893.82,41811.47 41908.82,41826.47 41995.82,41826.47 42006.82,41815.47 42006.82,41732.47 42006.32,41731.97 42006.32,41669.97 42005.82,41669.47 42005.82,41627.47 41984.82,41606.47 41936.82,41606.47 41914.82,41628.47 41914.82,41664.47 41893.82,41685.47 ; 41971.82,42017.47 41971.82,42052.47 41971.82,42158.47 41998.82,42185.47 42188.82,42185.47 42213.82,42160.47 42213.82,42110.47 42213.82,42020.47 42185.82,41992.47 42115.82,41992.47 41996.82,41992.47 41971.82,42017.47 ; 42031.82,41616.47 42031.82,41702.47 42048.82,41719.47 42095.82,41719.47 42106.82,41708.47 42106.82,41612.47 42092.82,41598.47 42049.82,41598.47 42031.82,41616.47 ; 42127.32,41730.97 42127.32,41809.97 42142.32,41824.97 42229.32,41824.97 42240.32,41813.97 42240.32,41730.97 42238.82,41729.47 42238.82,41679.47 42219.82,41660.47 42161.82,41660.47 42134.32,41687.97 42134.32,41723.97 42127.32,41730.97 ; 42534.82,41803.47 42534.82,41862.47 42534.82,41936.47 42552.82,41954.47 42760.82,41954.47 42789.82,41925.47 42789.82,41867.47 42797.82,41859.47 42797.82,41801.47 42781.82,41785.47 42552.82,41785.47 42534.82,41803.47 ; 43153.82,41702.47 43153.82,41740.47 43163.82,41750.47 43225.82,41750.47 43235.82,41740.47 43235.82,41698.47 43220.82,41683.47 43172.82,41683.47 43153.82,41702.47
OUTLINE:
  drawing of 249 lines, arcs and shapes, not listed
  text "Primary Signal Layer 1 (1 oz.cu)" at 35152.82,44094.47 h75
  text "2.7mil PP1080" at 33948.82,43955.47 h75
  text "L2_GND  Plane  Layer 2 (1 oz.cu )" at 35152.82,43844.47 h75
  text "2.9mil CORE" at 33933.82,43585.47 h75
  text "30-45" at 38049.82,43352.47 h50
  text "L3_PWR Plane  Layer 3 (1 oz.cu )" at 35166.32,43335.47 h75
  text "15mil" at 33929.82,43087.47 h75
  text "CORE+PP" at 34326.32,43072.97 h75
  text "T" at 37541.32,43037.47 h50
  text "R" at 38711.32,43037.47 h50
  text "L4_SIG         Layer 4 (1 oz.cu )" at 35163.82,42865.47 h75
  text "S<0.1MM" at 37946.32,42687.47 h50
  text "0.6 T 1.0MM,R 0.3+/-0.1MM" at 37595.82,42595.8 h50
  text "1.0 T 1.2MM,R 0.4+/-0.1MM" at 37595.82,42505.8 h50
  text "2.9mil CORE" at 33938.82,42495.47 h75
  text "1.2 T 2.0MM,R 0.5+/-0.1MM" at 37595.82,42420.8 h50
  text "2.0 T 3.0MM,R 0.55+/-0.1MM" at 37595.82,42330.8 h50
  text "L5_GND  Plane  Layer 5 (1 oz.cu )" at 35152.82,42094.47 h75
  text "4 mil" at 33954.82,41962.47 h75
  text "PREPREG" at 33942.32,41957.47 h75
  text "Solder Signal  Layer 6 (1 oz.cu)" at 35152.82,41819.47 h75
  text "Impedance Controll Table" at 35671.59,41301.02 h75
  text "SINGLE ENDED TRACE" at 34721.59,41131.02 h75
  text "DIFFERENTIAL TRACE" at 37191.59,41131.02 h75
  text "LAYER" at 33619.09,40986.52 h75
  text "WIDTH/SPACE" at 36789.09,40986.52 h75
  text "IMPEDANCE" at 38124.09,40986.52 h75
  text "IMPEDANCE" at 35559.09,40976.52 h75
  text "WIDTH" at 34449.09,40956.52 h75
  text "(OHM+/-10%)" at 38069.09,40871.52 h75
  text "(mil)" at 34429.09,40866.52 h75
  text "(OHM+/-10%)" at 35529.09,40856.52 h75
  text "(mil)" at 36939.09,40856.52 h75
  text "4.1/ 12mil" at 36913.09,40571.02 h75
  text "100 ohm" at 38113.09,40571.02 h75
  text "1  6" at 33624.09,40561.02 h75
  text "4 mil" at 34349.09,40561.02 h75
  text "50 ohm" at 35574.09,40561.02 h75
  text "4.2/ 7 mil" at 36913.09,40421.02 h75
  text "90 ohm" at 38113.09,40421.02 h75
  text "4.5/6.5mil" at 36913.09,40281.02 h75
  text "85 ohm" at 38113.09,40281.02 h75
  text "4.1/ 10mil" at 36898.09,40018.02 h75
  text "100 ohm" at 38098.09,40018.02 h75
  text "4" at 33624.09,40011.02 h75
  text "5 mil" at 34324.09,40011.02 h75
  text "50 ohm" at 35574.09,40011.02 h75
  text "4.3/7.3mil" at 36901.32,39875.47 h75
  text "90 ohm" at 38101.32,39872.97 h75
  text "4.6/6.8mil" at 36901.32,39725.47 h75
  text "85 ohm" at 38101.32,39722.97 h75
  text "Purchase Order And Specification Sheet" at 35010.09,39209.02 h75
  text "FR4" at 35154.09,38950.02 h75
  text "Dielectric Material:" at 33634.09,38940.02 h75
  text "6" at 35154.09,38750.02 h75
  text "Total board Layers:" at 33634.09,38740.02 h75
  text "63+/-10%" at 35154.09,38550.02 h75
  text "Board Thickness:" at 33634.09,38540.02 h75
  text "White" at 35154.09,38350.02 h75
  text "Silkscreen Colors:" at 33634.09,38340.02 h75
  text "Green" at 35154.09,38150.02 h75
  text "Red" at 35854.09,38150.02 h75
  text "Yellow" at 36554.09,38150.02 h75
  text "Black" at 37254.09,38150.02 h75
  text "Othor" at 37954.09,38150.02 h75
  text "Soldermask Colors:" at 33634.09,38140.02 h75
  text "HASL" at 35154.09,37950.02 h75
  text "OSP" at 35854.09,37950.02 h75
  text "GOLDFINGER" at 36554.09,37950.02 h75
  text "IMMERSION GOLD" at 37504.09,37950.02 h75
  text "Surface Finished:" at 33634.09,37940.02 h75
  text "Other Notes:" at 33634.09,37740.02 h75
  text "1.Via:All vias need filling soldermask." at 33641.09,37546.02 h75
  text "2." at 33641.09,37396.02 h75
  text "Silkcreen:permanent white non-conductive epoxy inc.where appropriate clip" at 33781.09,37391.02 h75
  text "silkscreen line width not to exceed 0.005\"to ensure silkscreen clarity." at 33781.09,37266.02 h75
  text "3." at 33641.09,37116.02 h75
  text "Plating:solder resist over bare copper on both sides of board." at 33781.09,37116.02 h75
NCLEGEND-1-6:
  circle w1: c45114.32,40860.47 r20
  lines w1: 44664.82,37485.47 49500.82,37485.47 ; 44664.82,37735.47 49500.82,37735.47 ; 44664.82,37985.47 49500.82,37985.47 ; 44664.82,38235.47 49500.82,38235.47 ; 44664.82,38485.47 49500.82,38485.47 ; 44664.82,38735.47 49500.82,38735.47 ; 44664.82,38985.47 49500.82,38985.47 ; 44664.82,39235.47 49500.82,39235.47 ; 44664.82,39485.47 49500.82,39485.47 ; 44664.82,39735.47 49500.82,39735.47 ; 44664.82,39985.47 49500.82,39985.47 ; 44664.82,40235.47 49500.82,40235.47 ; 44664.82,40485.47 49500.82,40485.47 ; 44664.82,40735.47 49500.82,40735.47 ; 44664.82,40985.47 49500.82,40985.47 ; 44664.82,41235.47 49500.82,41235.47 ; 44664.82,41485.47 49500.82,41485.47 ; 44664.82,41735.47 49500.82,41735.47 ; 44664.82,41985.47 49500.82,41985.47 ; 44664.82,42235.47 49500.82,42235.47 ; 44664.82,42485.47 49500.82,42485.47 ; 44664.82,42735.47 49500.82,42735.47 ; 44664.82,42985.47 49500.82,42985.47 ; 44664.82,43235.47 49500.82,43235.47 ; 44664.82,43485.47 49500.82,43485.47 ; 45094.32,40360.47 45134.32,40360.47 ; 45094.32,42110.47 45134.32,42110.47 ; 45094.32,42610.47 45134.32,42610.47 ; 45094.32,42860.47 45134.32,42860.47 ; 45114.32,40340.47 45114.32,40380.47 ; 45114.32,42090.47 45114.32,42130.47 ; 45114.32,42590.47 45114.32,42630.47 ; 45114.32,42840.47 45114.32,42880.47 ; 45563.82,37235.47 45563.82,43235.47 ; 47454.82,37235.47 47454.82,43235.47 ; 48725.82,37235.47 48725.82,43235.47 ; 44664.82,37235.47 44664.82,43735.47 49500.82,43735.47 49500.82,37235.47 44664.82,37235.47 ; 45065.11,37321.1 ccw(c45065.11,37360.47) 45065.11,37399.84 45163.53,37399.84 ccw(c45163.53,37360.47) 45163.53,37321.1 45065.11,37321.1 ; 45071.02,40110.47 45083.71,40079.86 45114.32,40067.17 45144.93,40079.86 45157.62,40110.47 45144.93,40141.08 45114.32,40153.77 45083.71,40141.08 45071.02,40110.47 ; 45071.02,41360.47 45083.71,41329.86 45114.32,41317.17 45144.93,41329.86 45157.62,41360.47 45144.93,41391.08 45114.32,41403.77 45083.71,41391.08 45071.02,41360.47 ; 45074.95,37571.1 ccw(c45074.95,37610.47) 45074.95,37649.84 45153.69,37649.84 ccw(c45153.69,37610.47) 45153.69,37571.1 45074.95,37571.1 ; 45074.95,37821.1 ccw(c45074.95,37860.47) 45074.95,37899.84 45153.69,37899.84 ccw(c45153.69,37860.47) 45153.69,37821.1 45074.95,37821.1 ; 45085.78,38075.04 ccw(c45085.78,38110.47) 45085.78,38145.9 45142.86,38145.9 ccw(c45142.86,38110.47) 45142.86,38075.04 45085.78,38075.04 ; 45093.85,38332.91 ccw(c45093.85,38360.47) 45093.85,38388.03 45134.79,38388.03 ccw(c45134.79,38360.47) 45134.79,38332.91 45093.85,38332.91 ; 45094.32,39840.47 45114.32,39880.47 45134.32,39840.47 45094.32,39840.47 ; 45094.32,40610.47 45114.32,40630.47 45134.32,40610.47 45114.32,40590.47 45094.32,40610.47 ; 45094.32,41110.47 45104.32,41090.47 45124.32,41090.47 45134.32,41110.47 45124.32,41130.47 45104.32,41130.47 45094.32,41110.47 ; 45094.32,41590.47 45134.32,41590.47 45134.32,41630.47 45094.32,41630.47 45094.32,41590.47 ; 45094.32,41840.47 45134.32,41840.47 45134.32,41880.47 45094.32,41880.47 45094.32,41840.47 ; 45094.32,42360.47 45104.32,42340.47 45124.32,42340.47 45134.32,42360.47 45124.32,42380.47 45104.32,42380.47 45094.32,42360.47 ; 45100.54,38586.85 ccw(c45100.54,38610.47) 45100.54,38634.09 45128.1,38634.09 ccw(c45128.1,38610.47) 45128.1,38586.85 45100.54,38586.85 ; 45102.51,38836.85 ccw(c45102.51,38860.47) 45102.51,38884.09 45126.13,38884.09 ccw(c45126.13,38860.47) 45126.13,38836.85 45102.51,38836.85 ; 45104.48,39086.85 ccw(c45104.48,39110.47) 45104.48,39134.09 45124.16,39134.09 ccw(c45124.16,39110.47) 45124.16,39086.85 45104.48,39086.85 ; 45114.32,39310.47 cw(c45114.32,39360.47) 45114.32,39410.47 cw(c45114.32,39360.47) 45114.32,39310.47 ; 45114.32,39560.47 cw(c45114.32,39610.47) 45114.32,39660.47 cw(c45114.32,39610.47) 45114.32,39560.47
  text "DRILL CHART: TOP to BOTTOM" at 45782.82,43547.97 h125
  text "ALL UNITS ARE IN MILS" at 46032.82,43297.97 h125
  text "FIGURE" at 44814.32,43047.97 h125
  text "SIZE" at 46309.32,43047.97 h125
  text "PLATED" at 47790.32,43047.97 h125
  text "QTY" at 48963.32,43047.97 h125
  text "9.84" at 46309.32,42797.97 h125
  text "PLATED" at 47790.32,42797.97 h125
  text "5" at 49063.32,42797.97 h125
  text "10.0" at 46309.32,42547.97 h125
  text "PLATED" at 47790.32,42547.97 h125
  text "834" at 48963.32,42547.97 h125
  text "15.75" at 46259.32,42297.97 h125
  text "PLATED" at 47790.32,42297.97 h125
  text "14" at 49013.32,42297.97 h125
  text "17.72" at 46259.32,42047.97 h125
  text "PLATED" at 47790.32,42047.97 h125
  text "20" at 49013.32,42047.97 h125
  text "35.04" at 46259.32,41797.97 h125
  text "PLATED" at 47790.32,41797.97 h125
  text "10" at 49013.32,41797.97 h125
  text "35.43" at 46259.32,41547.97 h125
  text "PLATED" at 47790.32,41547.97 h125
  text "6" at 49063.32,41547.97 h125
  text "40.16" at 46259.32,41297.97 h125
  text "PLATED" at 47790.32,41297.97 h125
  text "2" at 49063.32,41297.97 h125
  text "40.16" at 46259.32,41047.97 h125
  text "PLATED" at 47790.32,41047.97 h125
  text "4" at 49063.32,41047.97 h125
  text "66.93" at 46259.32,40797.97 h125
  text "PLATED" at 47790.32,40797.97 h125
  text "2" at 49063.32,40797.97 h125
  text "145.67" at 46209.32,40547.97 h125
  text "PLATED" at 47790.32,40547.97 h125
  text "7" at 49063.32,40547.97 h125
  text "39.02" at 46259.32,40297.97 h125
  text "NON-PLATED" at 47590.32,40297.97 h125
  text "2" at 49063.32,40297.97 h125
  text "39.37" at 46259.32,40047.97 h125
  text "NON-PLATED" at 47590.32,40047.97 h125
  text "2" at 49063.32,40047.97 h125
  text "43.31" at 46259.32,39797.97 h125
  text "NON-PLATED" at 47590.32,39797.97 h125
  text "1" at 49063.32,39797.97 h125
  text "62.99" at 46259.32,39547.97 h125
  text "NON-PLATED" at 47590.32,39547.97 h125
  text "1" at 49063.32,39547.97 h125
  text "127.95" at 46209.32,39297.97 h125
  text "NON-PLATED" at 47590.32,39297.97 h125
  text "2" at 49063.32,39297.97 h125
  text "43.3x23.62" at 46009.32,39047.97 h125
  text "PLATED" at 47790.32,39047.97 h125
  text "2" at 49063.32,39047.97 h125
  text "47.24x23.62" at 45959.32,38797.97 h125
  text "PLATED" at 47790.32,38797.97 h125
  text "4" at 49063.32,38797.97 h125
  text "51.18x23.62" at 45959.32,38547.97 h125
  text "PLATED" at 47790.32,38547.97 h125
  text "2" at 49063.32,38547.97 h125
  text "68.5x27.56" at 46009.32,38297.97 h125
  text "PLATED" at 47790.32,38297.97 h125
  text "2" at 49063.32,38297.97 h125
  text "92.52x35.43" at 45959.32,38047.97 h125
  text "PLATED" at 47790.32,38047.97 h125
  text "2" at 49063.32,38047.97 h125
  text "118.11x39.37" at 45909.32,37797.97 h125
  text "PLATED" at 47790.32,37797.97 h125
  text "1" at 49063.32,37797.97 h125
  text "118.11x39.37" at 45909.32,37547.97 h125
  text "PLATED" at 47790.32,37547.97 h125
  text "1" at 49063.32,37547.97 h125
  text "137.79x39.37" at 45909.32,37297.97 h125
  text "PLATED" at 47790.32,37297.97 h125
  text "1" at 49063.32,37297.97 h125
DXF_20200927:
  lines w1: 43912.35,43227.41 ccw(c43948.77,43227.41) 43985.19,43227.41 ccw(c43948.77,43227.41) 43912.35,43227.41
DRAWING_ORIGIN:
  lines w1: 40190.94,41220.47 40206.69,41220.47 ; 40198.82,41212.6 40198.82,41228.35
DIMENSION:
  lines w1: 39693.82,41370.48 39743.82,41370.48 ; 39693.82,41370.48 39718.82,41220.48 ; 39693.82,41370.48 39743.82,41370.48 ; 39693.82,41370.48 39718.82,41220.48 ; 39693.82,43629.06 39743.82,43629.06 ; 39693.82,43629.06 39718.82,43779.06 ; 39693.82,43629.06 39743.82,43629.06 ; 39693.82,43629.06 39718.82,43779.06 ; 39718.82,41220.48 39718.82,42624.22 39718.82,41220.48 ; 39718.82,41220.48 39743.82,41370.48 ; 39718.82,41220.48 39743.82,41370.48 ; 39718.82,43779.06 39718.82,42936.72 39718.82,43779.06 ; 39718.82,43779.06 39743.82,43629.06 ; 39718.82,43779.06 39743.82,43629.06 ; 40198.79,44085.47 41543.57,44085.47 40198.79,44085.47 ; 40198.79,44085.47 40348.79,44060.47 ; 40198.79,44085.47 40348.79,44110.47 ; 40198.79,44085.47 40348.79,44060.47 ; 40198.79,44085.47 40348.79,44110.47 ; 40348.79,44060.47 40348.79,44110.47 ; 40348.79,44060.47 40348.79,44110.47 ; 43994.68,44060.47 43994.68,44110.47 ; 43994.68,44060.47 44144.68,44085.47 ; 43994.68,44060.47 43994.68,44110.47 ; 43994.68,44060.47 44144.68,44085.47 ; 43994.68,44110.47 44144.68,44085.47 ; 43994.68,44110.47 44144.68,44085.47 ; 44144.68,44085.47 42444.07,44085.47 44144.68,44085.47 ; 39618.82,41220.48 40098.79,41220.48 39618.82,41220.48 ; 39618.82,43779.06 40098.79,43779.06 39618.82,43779.06 ; 40198.79,43879.06 40198.79,44185.47 40198.79,43879.06 ; 44144.68,43879.06 44144.68,44185.47 44144.68,43879.06
  text "100.23" at 41637.32,44022.97 h125
  text "100.23" at 41637.32,44022.97 h125
  text "64.99" at 39424.32,42717.97 h125
  text "64.99" at 39424.32,42717.97 h125

## Dimensions
40198.79,41220.48 to 42456.41,41220.48 on OUTLINE
40198.79,41160 to 42798.93,41220.48 on OUTLINE
40198.79,41045 to 44144.68,41220.48 on OUTLINE
40198.79,41220.48 to 42456.41,41505.91 on OUTLINE
40198.79,43779.06 to 41413.35,43582.21 on OUTLINE
40188.29,43779.06 to 41413.35,43779.06 on OUTLINE
40188.29,43779.06 to 41476.34,43779.06 on OUTLINE

## Text inside footprints (layer, text, board x,y; h text height)
BAT1: Top Overlay "+" at 40616.6,43568.21 h30; Top Overlay "-" at 40623.82,43460.47 h30 r180
J1: Top Overlay "19" at 41296,41472 h20; Top Overlay "1" at 41635,41473 h20; Mechanical 15 "PCB Edge" at 41403.8,41276.76 h35
J2: Mechanical 1 "PCB edge" at 42512.99,41166.62 h30
J3: Top Overlay "1" at 40875.95,41881.11 h23.62 r180; Top Overlay "2" at 40828.71,41983.47 h23.62 r180; Top Overlay "9" at 40372.02,41881.11 h23.62 r180; Top Overlay "10" at 40324.77,41975.6 h23.62 r180; Top Overlay "11" at 40822.49,42224.69 h23.62 r180; Top Overlay "12" at 40727.49,42224.69 h23.62 r180; Top Overlay "13" at 40497.49,42224.69 h23.62 r180; Top Overlay "14" at 40392.49,42224.69 h23.62 r180
M1: Mechanical 3 "module mounting holes placement taken from 3D models" at 43087.32,41465.55 h30 r180; Mechanical 3 "its real position may differ" at 42732,41507.87 h30 r180